# Altium PCB Standby_PS.PcbDoc (part 2 of 2)
Units mm, origin at the board's own origin, x right, y up, seen from the top; angles counter-clockwise.
Board outline 230 x 80 mm, 2 copper layers (Top Layer, Bottom Layer), stack 1.071 mm thick; 144 components, 68 nets, 334 pads, 84 vias.
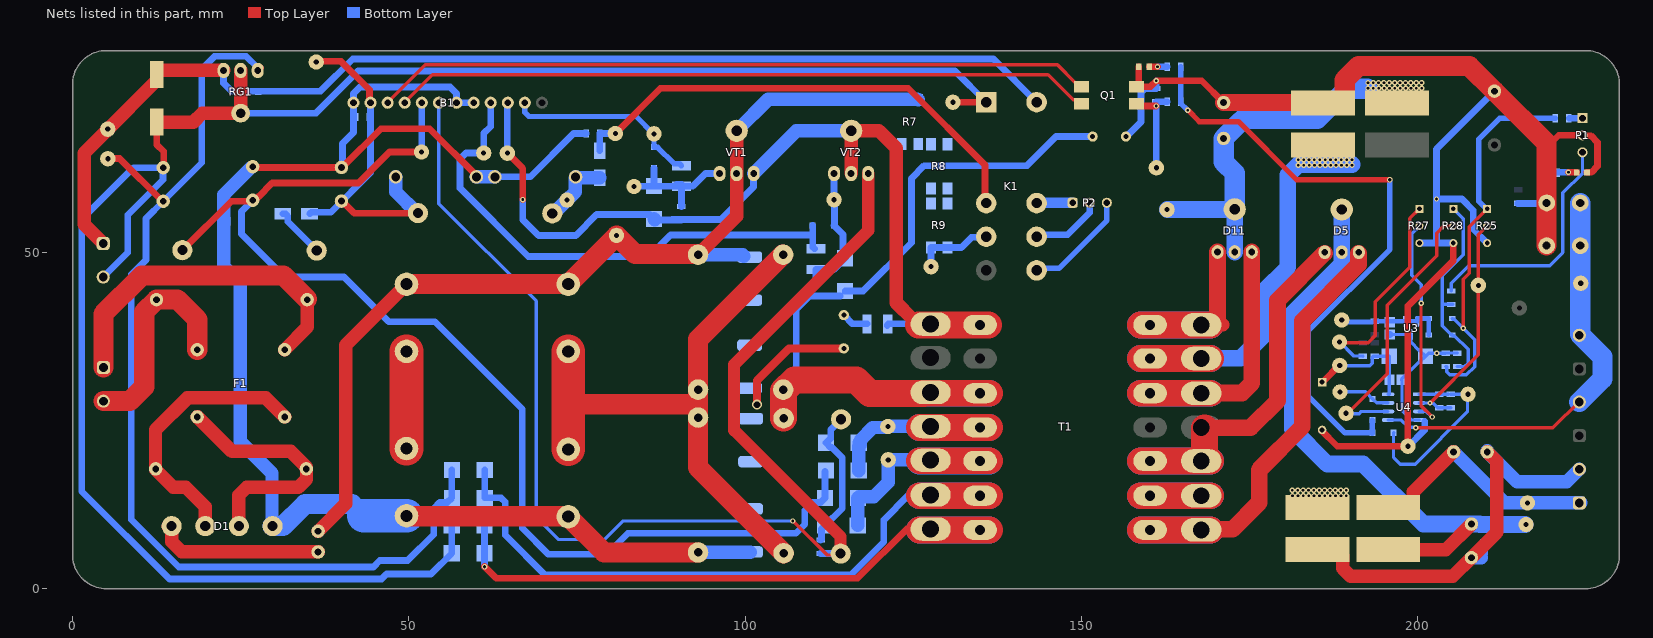
[diagram p2: the nets of this part, all layers, seen from the top]

## Via types
v1: diameter 0.8, hole 0.4, Top Layer to Bottom Layer, tented both sides, 79 vias
v2: diameter 0.8, hole 0.5, Top Layer to Bottom Layer, tented both sides, 2 vias
v3: diameter 0.8, hole 0.3, Top Layer to Bottom Layer, tented both sides, 2 vias
v4: diameter 1.5, hole 1, Top Layer to Bottom Layer, tented both sides, 1 vias

## Nets (pads, with @x,y where several pads share a name; then routed paths per layer and width w, separated by ;. In a path a pad name is that pad's centre, name@x,y a point inside that pad or via, vN(x,y) a via of type N, cw(c..) or ccw(c..) an arc to the next point about the centre after c; other vN are vias at no path point) (continued)
+550V: C4.1 C7.1 C22.2 R7.2 R21.2 RT1.1 TP38.1 VT1.2 | length 146.1
  Top Layer w2: RT1.1@36.5,8.55 40.6,12.65 40.6,36.225 C4.1@49.65,45.275 ; C22.2@93,49.658 98.742,55.4 VT1.2@98.742,61.727 VT1.2@98.742,68.077
  Top Layer w3: C4.1@49.65,45.275 C7.1@73.7,45.275 TP38.1@80.912,52.488 ; TP38.1@80.875,52.525 TP38.1@80.912,52.488 ; C22.2@92.895,49.75 83.65,49.75 TP38.1@80.912,52.488
  Bottom Layer w2: C22.2@93.033,49.625 99.65,49.625 R21.2@99.825,49.45 ; VT1.2@98.742,68.077 103.465,72.8 R7.2@123.175,72.8 ; R7.2@123.3,72.8 125.625,72.8 R7.2@125.75,72.675
GND: B1.5 B1.6 B1.12 C8.2 C9.2 C10.2 C12.1 C19.1 C23.1 C31.2 C34.2 C35.2 C42.1 D1.1 D8.2 D10.2 R1.1 R19.2 R43.1 VD3.2 VD4.2 VD7.1 | length 313.1
  Top Layer w0.4: C31.2@49.65,10.825 C31.2@49.712,10.762 ; C9.2@73.638,10.762 C9.2@73.7,10.7
  Top Layer w1: C35.2@26.775,62.75 26.9,62.625 39.775,62.625 39.975,62.825 40.308,62.825 45.858,68.375 53.075,68.375 60.041,61.409 VD3.2@60.041,61.225
  Top Layer w3: C31.2@49.712,10.762 C9.2@73.638,10.762 ; C9.2@73.7,10.7 79.025,5.375 C23.1@93,5.375
  Bottom Layer w0.4: VD7.1@114.154,43.525 VD7.1@114.878,44.249
  Bottom Layer w1: C10.2@40.125,62.389 40.125,66.175 41.761,67.811 B1.12@41.761,72.25 41.765,72.254 41.765,73.64 42.717,74.592 56.133,74.592 57.086,73.639 57.086,72.255 B1.6@57.091,72.25 ; B1.6@57.007,72.25 B1.6@57.091,72.25 ; B1.5@59.631,72.25 B1.6@57.091,72.25 ; VD4.2@62.791,61.225 68.043,61.225 74.493,67.675 C12.1@76.375,67.675 ; C23.1@93,5.375 C23.1@93.039,5.414 ; R43.1@100.76,5.414 R43.1@100.799,5.454 ; 107.6,33.05 107.6,41.514 109.611,43.525 VD7.1@114.154,43.525 ; C42.1@111.225,7.225 111.325,7.325 111.35,7.325 111.35,8.85 D10.2@111.875,9.375 114.45,11.95 114.45,19.45 112.9,21 112.725,21 D8.2@112.025,21.7 ; D8.2@112.1,21.7 112.723,22.323 112.723,23.598 114.257,25.132 R1.1@114.257,25.184 ; VD7.1@114.878,44.249 117.549,44.249 124.725,51.425 124.725,61 126.625,62.9 141.9,62.9 146.225,67.225 C19.1@151.675,67.225
  Bottom Layer w2: C35.2@26.436,62.511 22.475,58.55 22.475,47.95 24.95,45.475 24.95,21.875 29.65,17.175 D1.1@29.65,9.375 ; VD3.2@60.041,61.225 VD4.2@62.791,61.225 ; C23.1@93.039,5.414 R43.1@100.76,5.414
  Bottom Layer w3: D1.1@29.725,9.3 31.275,9.3 34.55,12.575 41.525,12.575 43.275,10.825
  Bottom Layer w5: 43.275,10.825 C31.2@49.65,10.825
GND_1: C19.2 C20.1 C21.1 C25.1 C27.2 C28.2 C29.2 C36.1 C38.1 C43.2 D7.2 L4.2 P1.2 Q1.2 R25.3 R27.3 R28.3 R31.1 R32.1 R44.1 TP24.1 U3.3 U4.4 VD11.1 VD15.1 | length 242.1
  Top Layer w1: VD15.1@158.525,77.6 158.525,74.97 Q1.2@158.2,74.645 160.269,74.645 v1(161.149,75.525) 167.9,75.525 C43.2@171.15,72.275 ; D7.2@185.65,23.575 188.05,21.175 TP24.1@198.55,21.175 ; L4.2@185.85,72.275 L4.2@185.9,72.225 ; TP24.1@198.519,21.206 198.55,21.237 198.55,42.018 205.317,48.785 R28.3@205.317,51.385 ; 219.184,65.609 220.985,67.41 P1.2@224.525,67.41 224.585,67.35 225.761,67.35 226.75,66.361 226.75,62.818 225.832,61.9 VD11.1@225.2,61.9
  Top Layer w2.5: C43.2@171.15,72.275 L4.2@185.85,72.275
  Top Layer w3: L4.2@185.9,72.225 188.775,72.225 189.15,72.6 189.15,75.65 191.2,77.7 207.7,77.7 C27.2@211.425,73.975 219.184,66.216 219.184,65.609 R31.1@219.184,57.351 R32.1@219.184,51.001
  Bottom Layer w0.3: R31.1@219.109,57.275 R31.1@219.184,57.351
  Bottom Layer w0.5: C20.1@195.877,37.788 U3.3@199.006,37.788 ; U3.3@199.019,37.775 199.019,36.622 200.189,35.452 200.269,35.452 C29.2@201.169,34.552 ; U4.4@200.235,25.072 199.103,25.072 197.675,26.5 197.675,30.996 C28.2@197.595,31.077 197.595,31.102 200.144,33.652 200.269,33.652 C29.2@201.169,34.552 ; C21.1@204.092,35.003 v1(202.856,35.003) 201.62,35.003 C29.2@201.169,34.552 ; C21.1@204.117,35.028 C25.1@205.914,35.028
  Bottom Layer w1: C19.2@156.625,67.225 156.7,67.225 158.875,69.4 158.875,73.789 159.461,74.375 R44.1@161.149,74.375 v1(161.149,75.525) ; C43.2@171.175,72.3 C36.1@174.025,72.3 ; C20.1@195.864,37.801 C20.1@195.877,37.788 ; TP24.1@198.642,21.175 201.04,23.573 201.04,24.838 ; R27.3@200.277,51.385 202.8,51.385 ; R28.3@205.317,51.385 202.8,51.385 ; R25.3@210.332,51.385 208.275,53.442 208.275,56.25 206.589,57.936 v1(202.8,57.936) ; C27.2@211.425,73.975 202.8,65.35 v1@202.8,57.937 ; C38.1@214.9,57.275 R31.1@219.109,57.275 ; 202.8,51.385 v1@202.8,57.936
I_SENS: J2.2 J3.2 R31.2 R32.2 TP20.1 U4.5 | length 62.7
  Top Layer w0.5: v1(199.733,23.913) 220.113,23.913 J3.2@224.079,27.879
  Bottom Layer w0.5: U4.5@195.603,25.072 197.551,25.072 198.652,23.971 199.675,23.971 v1(199.733,23.913)
  Bottom Layer w3: J3.2@224.041,27.75 227.466,31.175 227.466,34.474 J2.2@224.265,37.675 ; J2.2@224.175,37.808 224.175,45.393 TP20.1@224.184,45.403 ; TP20.1@224.184,45.468 R32.2@224.184,51.001 R31.2@224.184,57.351
NetB1_2: B1.2 D4.1 R16.1 TP36.1 | length 29.1
  Bottom Layer w0.8: B1.2@67.251,72.25 67.251,70.799 67.85,70.2 83.81,70.2 TP36.1@86.385,67.625 ; TP36.1@86.448,67.625 D4.1@86.449,65.675 86.499,65.625 87,65.625 89.422,63.203 90.223,63.203 R16.1@90.525,62.901
NetB1_3: B1.3 R18.2 R39.1 T1.1 TP11.1 VD8.1 VT1.3 VT2.2 | length 128.4
  Top Layer w1: TP11.1@64.647,64.756 66.95,62.453 66.95,57.875 v1(66.925,57.85)
  Top Layer w2: VT2.2@115.767,61.727 VT2.2@115.767,68.077 119.898,68.077 122.5,65.475 122.5,42.475 124.854,40.121 125.478,40.121 126.228,39.371 T1.1@127.884,39.371
  Bottom Layer w1: TP11.1@64.647,64.756 B1.3@64.647,72.185 ; v1(66.925,57.85) 66.925,54.894 69.294,52.525 74.825,52.525 77.925,55.625 85.794,55.625 VD8.1@86.45,54.969 ; VD8.1@86.594,54.825 89.175,54.825 R18.2@90.525,54.825 ; 89.175,54.875 96.4,54.875 101.25,59.725 VT1.3@101.25,61.695 ; R39.1@121.125,39.1 121.125,39.169 121.327,39.371 T1.1@127.884,39.371
  Bottom Layer w2: VD8.1@86.45,54.969 VD8.1@86.594,54.825 ; VT1.3@101.282,61.727 107.632,68.077 VT2.2@115.767,68.077
NetB1_4: B1.4 D3.1 R17.1 TP37.1 | length 77.7
  Bottom Layer w1: B1.4@62.171,72.25 62.171,68.721 61.125,67.675 TP37.1@61.125,64.778 58.503,64.778 57.6,63.875 57.6,59.55 67.75,49.4 85.75,49.4 88.925,52.575 110.075,52.575 ; 110.05,52.675 D3.1@110.05,54 ; 110.075,52.675 110.075,50.753 110.277,50.551 R17.1@110.325,50.551
NetB1_7: B1.7 C42.2 R1.2 VT2.3 | length 191.9
  Top Layer w0.5: v1(107.1,10.05) 107.136,10.05 112.186,5 113.998,5 R1.2@114.207,5.209
  Top Layer w1.8: R1.2@114.207,5.209 114.207,7.718 98.375,23.55 98.375,33.325 118.307,53.257 VT2.3@118.307,61.727
  Bottom Layer w0.5: B1.7@54.461,72.25 54.461,57.239 68.925,42.775 68.925,10.65 72.275,7.3 79.075,7.3 81.825,10.05 v1(107.1,10.05)
  Bottom Layer w1: C42.2@111.225,5.225 R1.2@114.191,5.225
  Bottom Layer w2: R1.2@114.191,5.225 R1.2@114.207,5.209
NetB1_8: B1.8 C34.1 C35.1 D6.1 D9.1 R11.2 TP30.1 | length 180.3
  Top Layer w1: R11.2@16.325,50.325 23.584,57.584 26.952,57.584 26.952,57.656 27.546,58.25 27.618,58.25 29.668,60.3 42.482,60.3 47.107,64.925 TP30.1@51.875,64.925
  Bottom Layer w0.5: TP30.1@51.875,64.925 TP30.1@51.898,64.948 ; B1.8@51.898,72.227 B1.8@51.921,72.25 ; D6.1@111.894,17.425 D6.1@112.019,17.55
  Bottom Layer w1: C35.1@26.725,57.7 25.1,56.075 C34.1@25.1,54.63 25.1,52.725 31.48,46.345 40.353,46.345 46.998,39.7 53.85,39.7 66.875,26.675 66.875,8.975 70.75,5.1 79.423,5.1 82.548,8.225 107.525,8.225 108.875,9.575 108.875,11.625 110.049,12.799 111.218,12.799 D9.1@111.894,13.475 D6.1@111.894,17.425 ; TP30.1@51.898,64.948 B1.8@51.898,72.227
NetB1_9: B1.9 Q1.4 | length 104.1
  Top Layer w0.5: B1.9@49.381,72.296 53.51,76.425 145.045,76.425 148.765,72.705 149.4,72.705 Q1.4@150,72.105
NetB1_10: B1.10 Q1.3 | length 106.8
  Top Layer w0.5: B1.10@46.841,72.291 52.425,77.875 146.45,77.875 149.08,75.245 149.4,75.245 Q1.3@150,74.645
NetB1_11: B1.11 C8.1 C10.1 R37.1 TP43.1 VD1.1 VD3.1 | length 52.5
  Top Layer w1: TP43.1@36.225,78.3 36.325,78.4 39.925,78.4 44.148,74.177 44.148,72.403 B1.11@44.301,72.25 ; C10.1@40.061,57.625 41.861,55.825 51.091,55.825 R37.1@51.316,55.6
  Bottom Layer w1: VD1.1@35.241,55.729 35.47,55.958 38.383,55.958 44.301,61.876 B1.11@44.301,72.25
  Bottom Layer w2: VD3.1@48.041,61.225 48.041,59.009 R37.1@51.2,55.85
NetC1_1: C1.1 F1.2 J1.1 | length 51
  Top Layer w2: F1.2@31.525,35.525 34.9,38.9 34.9,42.95 C1.1@34.875,42.975 C1.1@34.875,43.05
  Top Layer w3: J1.1@4.575,32.875 4.575,40.853 10.272,46.55 31.375,46.55 C1.1@34.875,43.05
NetC1_2: C1.2 F1.1 J1.2 | length 32.4
  Top Layer w3: J1.2@4.575,27.875 8.5,27.875 10.65,30.025 10.65,41.15 C1.2@12.475,42.975 ; C1.2@12.5,43 15.55,43 18.525,40.025 F1.1@18.525,35.525
NetC2_1: C2.1 D1.3 F1.3 | length 40.6
  Top Layer w2: C2.1@12.35,17.675 14.975,15.05 16.83,15.05 19.7,12.18 D1.3@19.7,9.325 ; C2.1@12.35,17.8 12.325,17.825 12.325,23.6 17.075,28.35 28.7,28.35 F1.3@31.525,25.525
NetC2_2: C2.2 D1.2 F1.4 | length 37
  Top Layer w2: F1.4@18.525,25.525 18.575,25.525 23.7,20.4 32.425,20.4 34.75,18.075 C2.2@34.75,17.8 ; D1.2@24.725,9.3 24.725,13.878 25.897,15.05 33.578,15.05 34.775,16.247 C2.2@34.775,18.028
NetC3_1: C3.1 C24.1 D13.1 D15.1 RG1.1 TP12.1 | length 154.3
  Top Layer w1: TP12.1@5.239,63.925 5.263,63.949 7.001,63.949 13.35,57.6 C24.1@13.475,57.6 ; RG1.1@27.525,77.05 27.525,77.093 27.884,77.453 RG1.1@27.928,77.453
  Bottom Layer w1: RG1.1@27.525,77.05 27.525,77.45 25.825,79.15 21.075,79.15 19.2,77.275 19.2,63.325 C24.1@13.475,57.6 10.9,55.025 10.9,48.875 8.725,46.7 8.725,10.275 15.775,3.225 44.725,3.225 45.675,4.175 C3.1@48.025,4.175 49.825,4.175 53.7,8.05 53.7,11.925 54.575,12.8 55.694,12.8 D13.1@56.394,13.5 D15.1@56.394,17.625
NetC3_2: C3.2 C24.2 C30.1 D12.2 D14.2 J4.2 K1.1 RG1.2 TP39.1 VD2.2 | length 288.8
  Top Layer w1: C30.1@12.5,69.375 12.5,66.05 13.55,65 13.55,62.675 C24.2@13.475,62.6 ; TP39.1@130.9,72.325 K1.1@135.85,72.325
  Top Layer w2: C30.1@12.5,69.375 17.973,69.375 19.298,70.7 RG1.2@24.985,70.7 RG1.2@24.985,77.05
  Bottom Layer w1: J4.2@4.55,46.325 8.2,49.975 8.2,55.55 13.45,60.8 13.45,62.575 C24.2@13.475,62.6 9.079,62.6 1.35,54.871 1.35,14.475 14.4,1.425 45.95,1.425 46.7,2.175 53.3,2.175 D14.2@56.375,5.25 D12.2@56.375,9.4 ; RG1.2@24.985,70.7 27.6,70.7 36.175,70.7 42.45,76.975 131.2,76.975 K1.1@135.85,72.325
NetC4_2: C4.2 C31.1 | length 14.4
  Top Layer w5: C31.1@49.65,20.825 C4.2@49.65,35.275
NetC5_1: C5.1 C6.2 D5.2 L3.1 TP1.1 | length 90.3
  Top Layer w2: L3.1@195.625,5.8 204.2,5.8 C5.1@208,9.6
  Bottom Layer w2: 209.213,9.6 209.263,9.55 ; TP1.1@215.993,9.55 TP1.1@216.125,9.418
  Bottom Layer w2.5: D5.2@188.717,56.377 D5.2@188.717,50.027 188.717,48.231 181.4,40.914 181.4,23.7 186.55,18.55 191.9,18.55 200.85,9.6 209.213,9.6 ; 209.263,9.55 TP1.1@215.993,9.55
NetC5_2: C5.2 C6.1 C16.2 C26.1 J5.2 L2.2 | length 65.3
  Top Layer w2: L2.2@185.1,5.8 187.975,5.8 188.85,4.925 188.85,2.997 190.022,1.825 205.225,1.825 C5.2@208,4.6 211.75,8.35 211.75,18.925 C16.2@210.35,20.325
  Bottom Layer w1: 209.493,4.6 209.994,5.101 C6.1@209.994,7
  Bottom Layer w2: C5.2@208,4.6 209.493,4.6 ; C16.2@210.35,20.5 C16.2@210.35,20.325 214.776,15.899 222.191,15.899 J5.2@224.041,17.75
NetC7_2: C7.2 C9.1 C11.2 C13.1 C22.1 C23.2 C?.2 R22.1 R42.2 | length 108
  Top Layer w1.2: v4(101.775,27.35) 101.775,30.966 106.534,35.725 C?.2@114.675,35.725
  Top Layer w3: C9.1@73.7,20.7 73.835,20.7 74.085,20.45 C9.1@74.157,20.45 ; 73.7,27.7 73.992,27.408 93,27.408 ; C13.1@105.645,49.658 105.645,49.649 105.574,49.649 93,37.075 C22.1@93,29.592 93,27.408 ; C11.2@105.725,5.271 93,17.996 C23.2@93,25.441 93,27.408
  Top Layer w5: C9.1@73.7,20.7 73.7,27.7 C7.2@73.7,35.275
NetC11_1: C11.1 C13.2 T1.3 | length 26.4
  Top Layer w4: C11.1@105.725,25.337 105.725,29.417 107.333,31.025 116.525,31.025 118.525,29.025 T1.3@126.575,29.025
NetC12_2: C12.2 K1.2 TP3.1 VD5.2 | length 73.5
  Top Layer w1: TP3.1@80.7,67.675 87.425,74.4 124.25,74.4 135.675,62.975 K1.2@135.675,56.873
  Bottom Layer w1: VD5.2@78.391,65.101 78.383,65.109 78.383,67.667 C12.2@78.375,67.675 TP3.1@80.7,67.675
NetC16_1: C16.1 C26.2 J5.1 L3.2 TP7.1 | length 36.1
  Top Layer w2: L3.2@195.625,12.05 198.5,12.05 199.375,12.925 199.375,14.395 205.305,20.325 C16.1@205.35,20.325
  Bottom Layer w2: C16.1@205.35,20.325 212.925,12.75 J5.1@224.265,12.75
NetC20_2: C20.2 R24.1 TP13.1 U3.1 U3.2 VD9.2 VD10.2 | length 16.3
  Bottom Layer w0.7: TP13.1@188.389,39.641 193.272,39.641 193.384,39.752 R24.1@193.657,39.752 ; TP13.1@188.725,39.952 TP13.1@188.762,39.989 ; R24.1@193.595,39.739 R24.1@193.633,39.777 R24.1@193.657,39.752 ; VD10.2@201.644,37.727 VD9.2@201.644,40.177 199.971,40.177 199.934,40.14 U3.2@199.934,39.728 199.91,39.752 198.104,39.752 195.864,39.752 R24.1@193.657,39.752
NetC21_2: C21.2 R20.2 R25.1 VD9.1 | length 59.7
  Top Layer w0.5: v1(206.792,38.726) 206.792,45.992 207.7,46.9 207.7,53.833 R25.1@210.332,56.465
  Bottom Layer w0.5: C21.2@204.186,33.027 204.316,33.027 204.316,32.245 204.785,31.777 207.264,31.777 208.489,33.002 208.489,37.029 ; VD9.1@205.144,40.177 205.244,40.077 205.442,40.077 208.489,37.029 ; v1(206.792,38.726) 208.489,37.029
  Bottom Layer w0.8: R25.1@210.332,56.465 210.132,56.665 210.01,56.665 209.1,57.575 209.1,66.825 212.225,69.95 R20.2@220.45,69.95
NetC25_2: C25.2 R23.2 R28.1 VD10.1 | length 30
  Bottom Layer w0.5: R23.2@205.2,42.275 203.685,42.275 203.65,42.24 ; R28.1@205.317,56.433 205.348,56.433 205.667,56.115 205.667,56.083 206.767,54.983 206.767,49.666 203.65,46.549 203.65,42.24 ; C25.2@205.914,33.028 207.015,33.028 207.514,33.527 207.514,35.577 205.464,37.627 205.244,37.627 VD10.1@205.144,37.727 204.994,37.727 203.729,38.991 203.65,39.07 203.65,42.24
NetC28_1: C28.1 C29.1 D7.1 R30.1 TP21.1 U4.8 | length 17.9
  Top Layer w1: D7.1@185.84,30.7 185.84,30.74 185.925,30.825 185.965,30.825 TP21.1@188.33,33.189
  Bottom Layer w0.5: TP21.1@188.414,33.189 188.452,33.152 192.884,33.152 193.258,33.525 193.258,34.112 193.258,34.402 193.408,34.552 R30.1@193.633,34.552 C29.1@195.769,34.552 195.769,31.101 C28.1@195.793,31.077 195.793,28.902 195.773,28.882 U4.8@195.603,28.882
NetC30_2: C30.2 J4.1 K1.8 RG1.3 TP44.1 VD2.1 | length 169
  Top Layer w1: C30.2@11.925,74.975 12,74.975 12.5,75.475 12.5,76.55 C30.2@13,77.05
  Top Layer w2: J4.1@4.55,51.325 1.7,54.175 1.7,64.75 5.25,68.3 C30.2@11.925,74.975 ; C30.2@13,77.05 RG1.3@22.445,77.05
  Bottom Layer w1: RG1.3@22.445,77.05 22.445,75.155 23.625,73.975 36.875,73.975 41.65,78.75 136.925,78.75 K1.8@143.35,72.325
NetC36_2: C36.2 C43.1 D11.2 L1.1 TP14.1 | length 51.6
  Top Layer w2: TP14.1@162.75,56.35 TP14.1@162.775,56.375 ; D11.2@172.775,56.375 D11.2@172.8,56.4
  Bottom Layer w2.5: TP14.1@162.775,56.375 D11.2@172.775,56.375 ; D11.2@172.8,50.05 D11.2@172.8,56.4
  Bottom Layer w3: C43.1@171.175,66.916 171.175,63.425 172.8,61.8 D11.2@172.8,56.4 ; C43.1@171.191,66.941 173.8,69.55 ; 174.084,69.875 185.075,69.875 189.525,74.325 v1@192.515,74.325
  other v1: 192.615,74.425 193.415,74.425 194.215,74.425 195.015,74.425 195.815,74.425 196.615,74.425 197.415,74.425 198.215,74.425 199.015,74.425 199.815,74.425 200.615,74.425 192.615,75.225 193.39,75.225 194.19,75.225 194.99,75.225 195.79,75.225 196.59,75.225 197.39,75.225 198.19,75.225 198.99,75.225 199.79,75.225 200.59,75.225
NetC44_1: C44.1 R41.1 TP23.1 U4.1 VD6.2 | length 29.3
  Bottom Layer w0.5: VD6.2@196.434,23.171 VD6.2@196.414,23.152 196.414,19.489 197.403,18.5 199.625,18.5 207.405,26.28 207.405,28.811 TP23.1@207.489,28.895 207.476,28.909 C44.1@204.941,28.909 ; U4.1@200.235,28.882 200.249,28.895 C44.1@204.58,28.895 ; R41.1@203.191,28.909 C44.1@204.594,28.909
NetC44_2: C44.2 R25.2 R41.2 TP16.1 U4.2 | length 34.7
  Top Layer w0.5: v3@201.872,27.602 209.025,34.755 TP16.1@209.025,45.1 ; TP16.1@209.025,45.252 209.025,52.618 R25.2@210.332,53.925
  Bottom Layer w0.5: U4.2@200.235,27.612 200.24,27.607 201.834,27.607 201.896,27.544 202.331,27.544 202.966,26.909 C44.2@204.941,26.909
  other v3: 201.839,27.602
NetC?_1: C?.1 R39.2 | length 4
  Bottom Layer w1: C?.1@114.675,40.675 115.979,39.371 R39.2@118.124,39.371
NetD1_4: D1.4 RT1.2 | length 25
  Top Layer w2: D1.4@14.213,9.3 14.258,9.3 14.719,8.838 14.719,6.981 16.225,5.475 36.475,5.475 RT1.2@36.5,5.45
NetD3_2: D3.2 R17.2 R19.1 TP10.1 VD7.2 VT2.1 | length 19.9
  Bottom Layer w1: R19.1@110.5,45.525 110.525,45.55 110.525,47.424 R17.2@110.55,47.449 113.197,47.449 VD7.2@114.878,49.13 ; D3.2@113.2,54 114.55,52.65 VD7.2@114.55,49.166 ; VT2.1@113.227,61.727 TP10.1@113.227,57.825 113.275,57.777 D3.2@113.275,54.175
NetD4_2: D4.2 R16.2 R18.1 TP9.1 VD8.2 VT1.1 | length 22.3
  Bottom Layer w1: TP9.1@83.475,59.799 83.5,59.825 86.422,59.825 VD8.2@86.45,59.85 ; D4.2@86.449,62.525 VD8.2@86.45,59.85 ; R16.2@89.175,59.849 89.824,59.849 92.224,59.849 ; R18.1@90.525,56.825 R16.2@90.525,59.799 ; R16.2@90.525,59.849 92.224,59.849 ; R16.2@90.525,60.124 89.824,60.124 89.551,59.85 VD8.2@86.45,59.85 VD8.2@86.45,59.85 ; VT1.1@96.202,61.727 94.102,61.727 92.224,59.849
NetD5_1: D5.1 T1.10 | length 42.6
  Top Layer w2.5: 168.3,23.927 175.177,23.927 179.175,27.925 179.175,42.874 D5.1@186.177,49.876
  Top Layer w4: T1.10@167.834,18.979 168.05,18.979 168.3,19.229 168.3,23.927
NetD5_3: D5.3 T1.8 | length 51
  Top Layer w2.5: T1.8@170.254,8.825 172.475,8.825 176.45,12.8 176.45,17.675 182.85,24.075 182.85,39.8 191.225,48.175 D5.3@191.225,49.867
NetD6_2: D6.2 D8.1 T1.4 TP32.1 | length 15.9
  Bottom Layer w0.5: D6.2@116.9,17.55 D6.2@116.936,17.586
  Bottom Layer w2: D6.2@116.9,17.55 D8.1@116.9,21.164 ; D8.1@116.936,21.245 116.981,21.245 117.136,21.4 D8.1@117.136,21.445 ; D8.1@116.981,21.7 117.181,21.9 117.181,22.156 118.981,23.956 121.004,23.956 121.093,24.045 TP32.1@121.132,24.007 ; TP32.1@121.225,24.1 121.241,24.116 127.868,24.116 T1.4@127.884,24.131
NetD9_2: D9.2 D10.1 T1.5 TP33.1 | length 19.4
  Bottom Layer w0.5: D10.1@116.756,9.375 D10.1@116.775,9.394 ; TP33.1@121.275,19.15 TP33.1@121.281,19.143 ; T1.5@127.877,19.143 T1.5@127.884,19.137
  Bottom Layer w2: D10.1@116.775,9.394 D9.2@116.775,13.475 ; D9.2@116.861,13.561 116.975,13.675 119.125,13.675 121.275,15.825 TP33.1@121.275,19.15 ; TP33.1@121.281,19.143 T1.5@127.877,19.143
NetD11_1: D11.1 T1.14 | length 11.6
  Top Layer w2: T1.14@170.193,39.244 171.037,39.244
  Top Layer w2.5: T1.14@170.26,39.311 D11.1@170.26,50.05
NetD11_3: D11.3 T1.12 | length 25.3
  Top Layer w2.5: T1.12@170.193,29.084 173.876,29.084 175.34,30.548 D11.3@175.34,50.05
NetD12_1: D12.1 D14.1 T1.7 | length 76.5
  Top Layer w1: v2(61.256,3.275) 62.981,1.55 116.725,1.55 124.066,8.891 T1.7@127.845,8.891
  Bottom Layer w1: v2(61.256,3.275) D12.1@61.256,9.4
NetD13_2: D13.2 D15.2 T1.6 | length 84.9
  Bottom Layer w1: D15.2@61.275,17.625 D13.2@61.275,13.5 63.725,13.5 64.325,12.9 64.325,7.975 70.25,2.05 115.7,2.05 120.625,6.975 120.625,10.225 124.223,13.823 T1.6@127.554,13.823 ; T1.6@129.726,13.925 T1.6@129.807,13.844
NetK1_3: K1.3 R9.1 TP4.1 | length 11.7
  Bottom Layer w1: TP4.1@127.65,47.875 127.638,47.887 127.638,50.712 R9.1@127.625,50.725 132.147,50.725 133.66,52.238 135.763,52.238 K1.3@135.85,52.325
NetK1_5: K1.5 P2.3 | length 16.1
  Bottom Layer w0.8: K1.5@143.35,47.325 143.65,47.625 146.675,47.625 153.79,54.74 P2.3@153.79,57.375
NetK1_6: K1.6 P2.2 | length 10.8
  Bottom Layer w1: K1.6@143.35,52.325 143.659,52.634 147.969,52.634 151.25,55.915 P2.2@151.25,57.375
NetK1_7: K1.7 P2.1 | length 5.4
  Bottom Layer w1.5: K1.7@143.4,57.375 P2.1@148.71,57.375
  Bottom Layer w2: K1.7@143.35,57.325 K1.7@143.4,57.375
NetL2_1: L2.1 T1.9
  other v1: 181.4,13.825 182.2,13.825 183,13.825 183.8,13.825 184.6,13.825 185.4,13.825 186.2,13.825 187,13.825 187.8,13.825 188.6,13.825 189.4,13.825 181.365,14.65 182.165,14.65 182.965,14.65 183.765,14.65 184.565,14.65 185.365,14.65 186.165,14.65 186.965,14.65 187.765,14.65 188.565,14.65 189.365,14.65
NetL4_1: L4.1 T1.13 | length 47
  Bottom Layer w2.5: T1.13@167,34.25 173.7,34.25 177.025,37.575 177.025,44.1 180.7,47.775 180.7,61.495 182.28,63.075 183.844,63.075 184.669,63.075 185.469,63.075 186.269,63.075 187.844,63.075 188.644,63.075 v1@190.225,63.075
  other v1: 182.269,62.96 183.069,62.96 183.869,62.96 184.669,62.96 185.469,62.96 186.269,62.96 187.069,62.96 187.869,62.96 188.669,62.96 189.469,62.96 190.244,62.96 182.269,63.76 183.044,63.76 183.844,63.76 184.644,63.76 185.444,63.76 186.244,63.76 187.044,63.76 187.844,63.76 188.644,63.76 189.444,63.76 190.244,63.76
NetQ1_1: Q1.1 R34.2 R44.2 TP25.1 | length 14.5
  Top Layer w1: Q1.1@158.2,72.105 158.538,71.767 v1(161.149,71.767)
  Bottom Layer w1: TP25.1@161.149,62.575 v1(161.149,71.767) R44.2@161.149,72.375 161.162,72.388 162.737,72.388 R34.2@162.75,72.4
NetR7_1: R7.1 R8.2
NetR8_1: R8.1 R9.2
NetR11_1: R11.1 VD1.2 | length 7.8
  Bottom Layer w1: VD1.2@31.246,55.733 VD1.2@31.241,55.729 31.641,55.729 31.991,55.379 31.991,54.584 R11.1@36.3,50.275 R11.1@36.296,50.271
NetR21_1: R21.1 R22.2
NetR26_1: R26.1 R27.1 TP17.1 | length 31.8
  Top Layer w0.5: TP17.1@188.389,36.677 188.491,36.575 192.649,36.575 193.714,37.64 193.714,42.659 198.85,47.795 198.85,55.038 R27.1@200.277,56.465
  Bottom Layer w0.5: TP17.1@188.389,36.677 190.474,34.592 190.799,34.592 191.829,34.592 R26.1@191.869,34.552 ; TP17.1@188.414,36.702 TP17.1@188.464,36.651
NetR27_2: R27.2 U4.3 | length 32.4
  Top Layer w0.5: v1(200.522,42.434) 200.5,42.413 200.5,27.2 v1(202.175,25.525)
  Bottom Layer w0.5: U4.3@200.235,26.342 200.243,26.333 201.291,26.333 202.099,25.525 v1(202.175,25.525) ; R27.2@200.277,53.877 199.15,52.75 199.15,46.577 200.522,45.205 v1(200.522,42.434)
NetR28_2: R28.2 TP19.1 U4.6 | length 41.8
  Top Layer w0.5: TP19.1@189.365,26.07 189.613,26.07 195.469,31.926 195.469,42.123 202.842,49.496 202.842,52.867 203.9,53.925 R28.2@205.317,53.925
  Bottom Layer w0.5: TP19.1@189.365,26.025 191.319,26.025 191.635,26.342 U4.6@195.603,26.342
NetR29_1: R29.1 VD11.2 | length 2.8
  Top Layer w1: v1(222.425,61.895) 223.645,61.895 VD11.2@223.65,61.9
  Bottom Layer w1: R29.1@220.82,61.895 v1(222.425,61.895)
NetR33_1: R33.1 VD15.2 | length 2.7
  Top Layer w1: VD15.2@160.075,77.6 v1(161.325,77.6)
  Bottom Layer w0.5: v1(161.325,77.6) v1@161.338,77.587 ; R33.1@162.737,77.587 R33.1@162.75,77.573
  Bottom Layer w1: v1@161.338,77.587 R33.1@162.737,77.587
NetR33_2: R33.2 R34.1 VD6.1 VD12.1 | length 92.2
  Top Layer w0.8: v1(165.825,71.15) 167.525,69.45 173.35,69.45 182,60.8 v2(195.85,60.8)
  Bottom Layer w0.8: R33.2@164.75,77.573 164.75,72.175 165.775,71.15 v1(165.825,71.15) ; VD6.1@193.264,23.127 VD6.1@193.264,23.152 VD6.1@193.273,23.161 ; VD12.1@193.283,25.077 193.273,25.067 VD6.1@193.273,23.161 ; v2(195.85,60.8) 195.875,60.775 195.875,50.45 183.725,38.3 183.725,28.665 189.229,23.161 VD6.1@193.273,23.161
NetR37_2: R37.2 TP2.1 VD4.1 VD5.1 | length 10.5
  Bottom Layer w2: R37.2@71.291,55.55 TP2.1@73.517,57.776 74.716,58.975 VD4.1@74.716,61 ; VD4.1@74.791,61.225 74.915,61.101 VD5.1@78.391,61.101
NetR42_1: R42.1 R43.2
NetTP22_1: TP22.1 U4.7 VD12.2 | length 7.8
  Bottom Layer w0.5: TP22.1@188.489,29.275 192.251,29.275 192.574,28.952 193.058,28.468 193.058,28.427 193.258,28.227 193.308,28.227 193.508,28.027 193.508,28.018 193.906,27.62 195.595,27.62 U4.7@195.603,27.612
PWM_I: P1.3 R23.1 | length 35.8
  Bottom Layer w0.5: R23.1@204.993,44.25 204.993,45.403 207.616,48.025 219.65,48.025 221.6,49.975 221.6,58.875 224.525,61.8 P1.3@224.525,64.87
PWM_V: P1.1 R20.1 | length 2
  Bottom Layer w1: R20.1@222.55,69.95 P1.1@224.542,69.95
pads on no net: B1.1 K1.4 T1.2 T1.11

## Polygon pours and split planes (outlines as drawn)
GND_1 on Bottom Layer "NONET_L-01_P-001" (solid, pour order 7): 212.917,58.766 212.817,58.666 212.817,30.742 199.9,17.825 195.534,17.825 192.834,20.525 187.902,20.525 186.825,21.602 186.825,40.159 190.623,43.957 193.129,43.957 197.802,48.63 197.802,58.959
GND on Bottom Layer "NONET_L-01_P-001" (solid, pour order 1): 115.825,26.4 107.825,34.4 87.525,34.4 79.9,26.775 79.9,18.525 88.825,18.525 88.825,30.125 90.625,31.925 106.7,31.925 109.921,28.704 109.937,22.95 114.257,22.957 115.825,24.525
GND on Bottom Layer "NONET_L-01_P-001" (solid, pour order 0): 72.449,11.913 83.185,22.65 109.637,22.65 113.619,26.632 114.956,26.632 115.757,25.831 115.757,24.457 112.025,20.725 96.6,20.725 89.625,13.75 82.25,13.75 77.45,8.95 72.975,8.95 71.986,9.939 71.936,11.401
GND_1 on Top Layer "NONET_L-01_P-001" (solid, pour order 6): 212.917,58.766 212.817,58.666 212.817,30.742 199.9,17.825 195.534,17.825 192.834,20.525 187.989,20.525 186.825,21.689 186.825,40.159 190.516,43.85 193.022,43.85 197.802,48.63 197.802,58.959

## Keep-outs
Keep-Out Layer:
  circle w0.254: c5,5 r1.5
  circle w0.254: c225,5 r1.5
  circle w0.254: c225,75 r1.5
  circle w0.254: c5,75 r1.5
  lines w0.254: 0,74.95 0,5 ccw(c5,5) 5,0 ; 0,75 cw(c5,75) 5,80 225,80 cw(c225,75) 230,75 ; 5.014,0 225.025,0 ; 225,0 ccw(c225,5) 230,5 ; 230,4.95 230,74.9

## Other copper
Top Layer:
  rectangle net NetL4_1: 181.75,62.55 190.65,66.433
  rectangle net NetC36_2: 192.2,70.45 201.7,75.675
  rectangle net NetL2_1: 180.375,13.094 189.875,15.45
Bottom Layer:
  rectangle net NetC7_2: 91.574,23.937 102.699,30.67
  rectangle net NetR21_1: 98.8,35.377 102.551,43.85
  rectangle net NetR42_1: 98.975,11.531 102.649,19.154
  rectangle net NetL4_1: 181.7,62.325 190.75,64.175
  rectangle net NetC36_2: 192.05,73.85 201.1,75.625
  rectangle net +20V: 191.244,36.152 194.258,38.177
  rectangle net NetL2_1: 167.375,11.81 189.875,15.85
  rectangle net NetR8_1: 126.85,56.3 130.825,60.425
  rectangle net NetR7_1: 122.575,65.206 130.9,67.1

## Silkscreen, mask and mechanical layers (free items; w line width, h text height)
Top Overlay:
  circle w1: c5,5 r2.2
  circle w1: c225,75 r2.2
  circle w1: c5,75 r2.2
  circle w1: c225,5 r2.2
  text "PWM_I_G_V" at 229.379,62.804 h1 r90
  text "+5V GND" at 0.854,62.046 h1 r270
  text "I_SET" at 203.678,47.737 h0.8
  text "V_SET" at 208.551,47.737 h0.8
  text "V_REF" at 198.504,47.712 h0.8
  text "+18V_2 GND2" at 229.292,30.981 h0.8 r90
  text "b" at 203.721,27.908 h18 r90
  text "AC_IN" at 1.071,23.671 h1 r270
  text "+18V_2 GND2" at 229.288,21.029 h0.8 r90
  text "+18V_1 GND1" at 229.388,10.529 h0.8 r90

## Text inside footprints (layer, text, board x,y; h text height)
B1: Top Overlay "VB" at 70.332,69.208 h0.8 r90; Top Overlay "HO" at 67.582,69.129 h0.8 r90; Top Overlay "VS" at 65.194,69.179 h0.8 r90; Top Overlay "LO" at 62.457,69.179 h0.8 r90; Top Overlay "V_FB" at 52.349,67.504 h0.8 r90; Top Overlay "IS" at 54.932,68.954 h0.8 r90; Top Overlay "GND" at 57.569,68.537 h0.8 r90; Top Overlay "GND" at 60.109,68.537 h0.8 r90; Top Overlay "GND" at 42.007,68.129 h0.8 r90; Top Overlay "VCC" at 44.782,68.129 h0.8 r90; Top Overlay "AND" at 47.282,68.204 h0.8 r90; Top Overlay "KAT" at 49.782,68.429 h0.8 r90
C4: Top Overlay "-" at 51.682,35.957 h3.05 r270; Top Overlay "+" at 52.19,46.625 h3.05 r270
C7: Top Overlay "+" at 76.24,46.625 h3.05 r270; Top Overlay "-" at 75.732,35.957 h3.05 r270
C9: Top Overlay "+" at 76.24,22.05 h3.05 r270; Top Overlay "-" at 75.732,11.382 h3.05 r270
C31: Top Overlay "-" at 51.682,11.507 h3.05 r270; Top Overlay "+" at 52.19,22.175 h3.05 r270
C43: Top Overlay "-" at 169.772,71.767 h0.8 r90; Top Overlay "+" at 169.505,66.433 h0.8 r90
D1: Top Overlay "- AC AC +" at 25.846,12.821 h0.8 r180